# Altium PCB Computer_Board.PcbDoc (part 1 of 5)
Units mm, origin at the board's own origin, x right, y up, seen from the top; angles counter-clockwise.
Board outline 210 x 125 mm, 4 copper layers (Top Layer, Layer 1, Layer 2, Bottom Layer), stack 1.571 mm thick; 443 components, 406 nets, 2112 pads, 1064 vias.
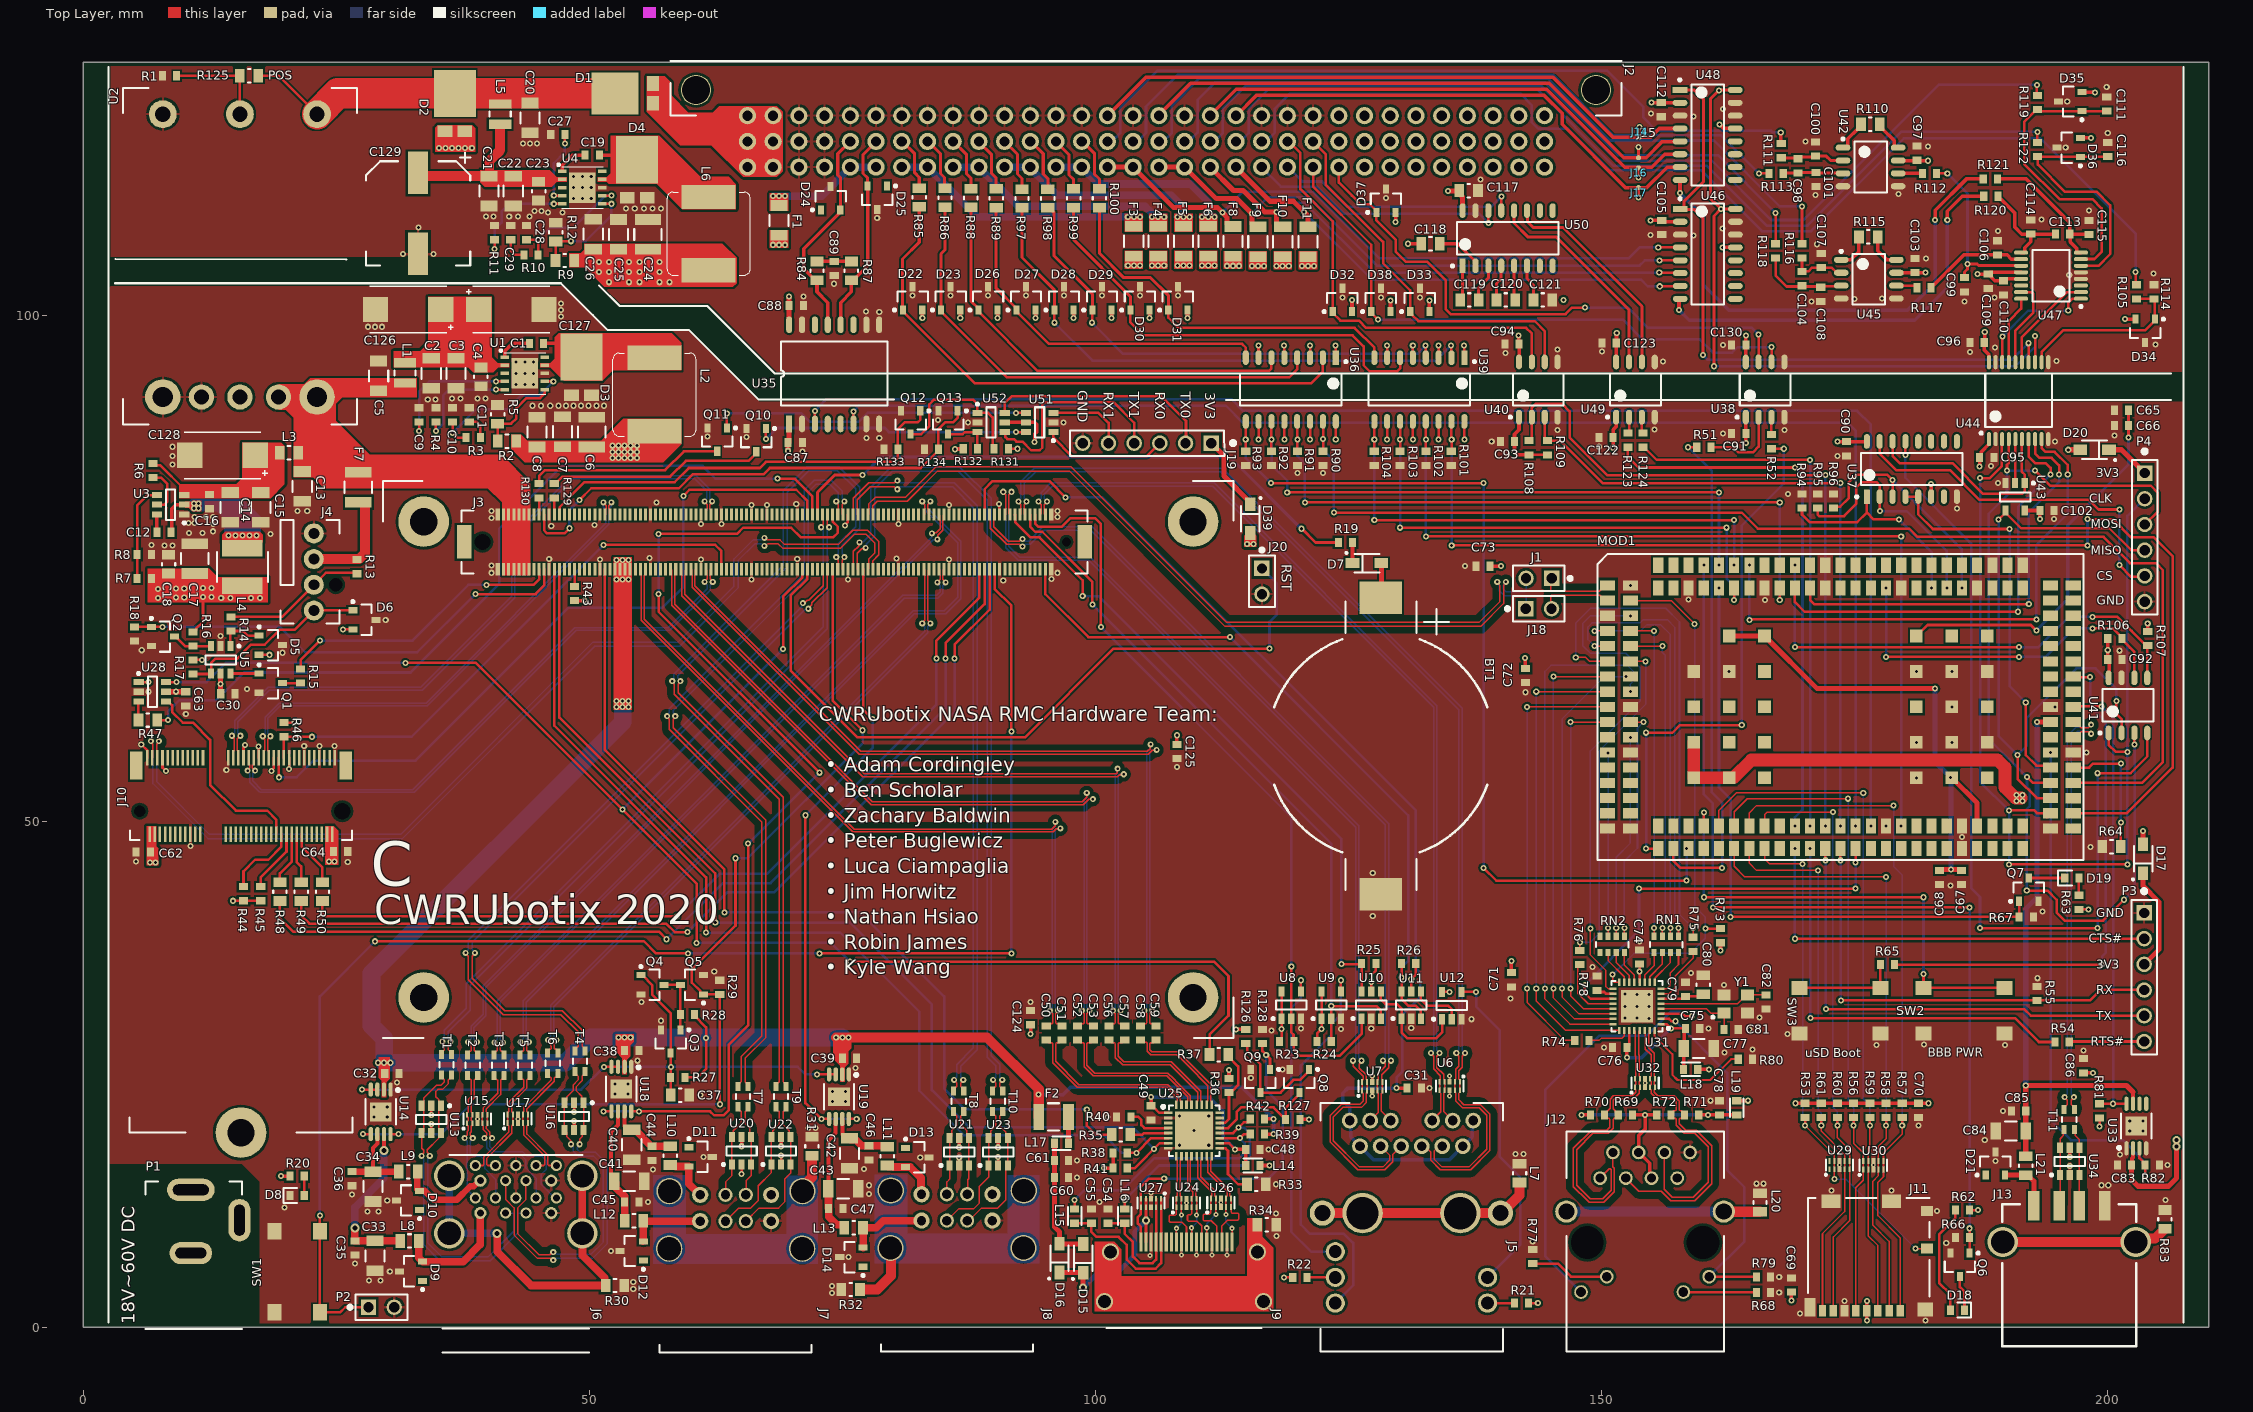
[diagram p0: Top Layer view]
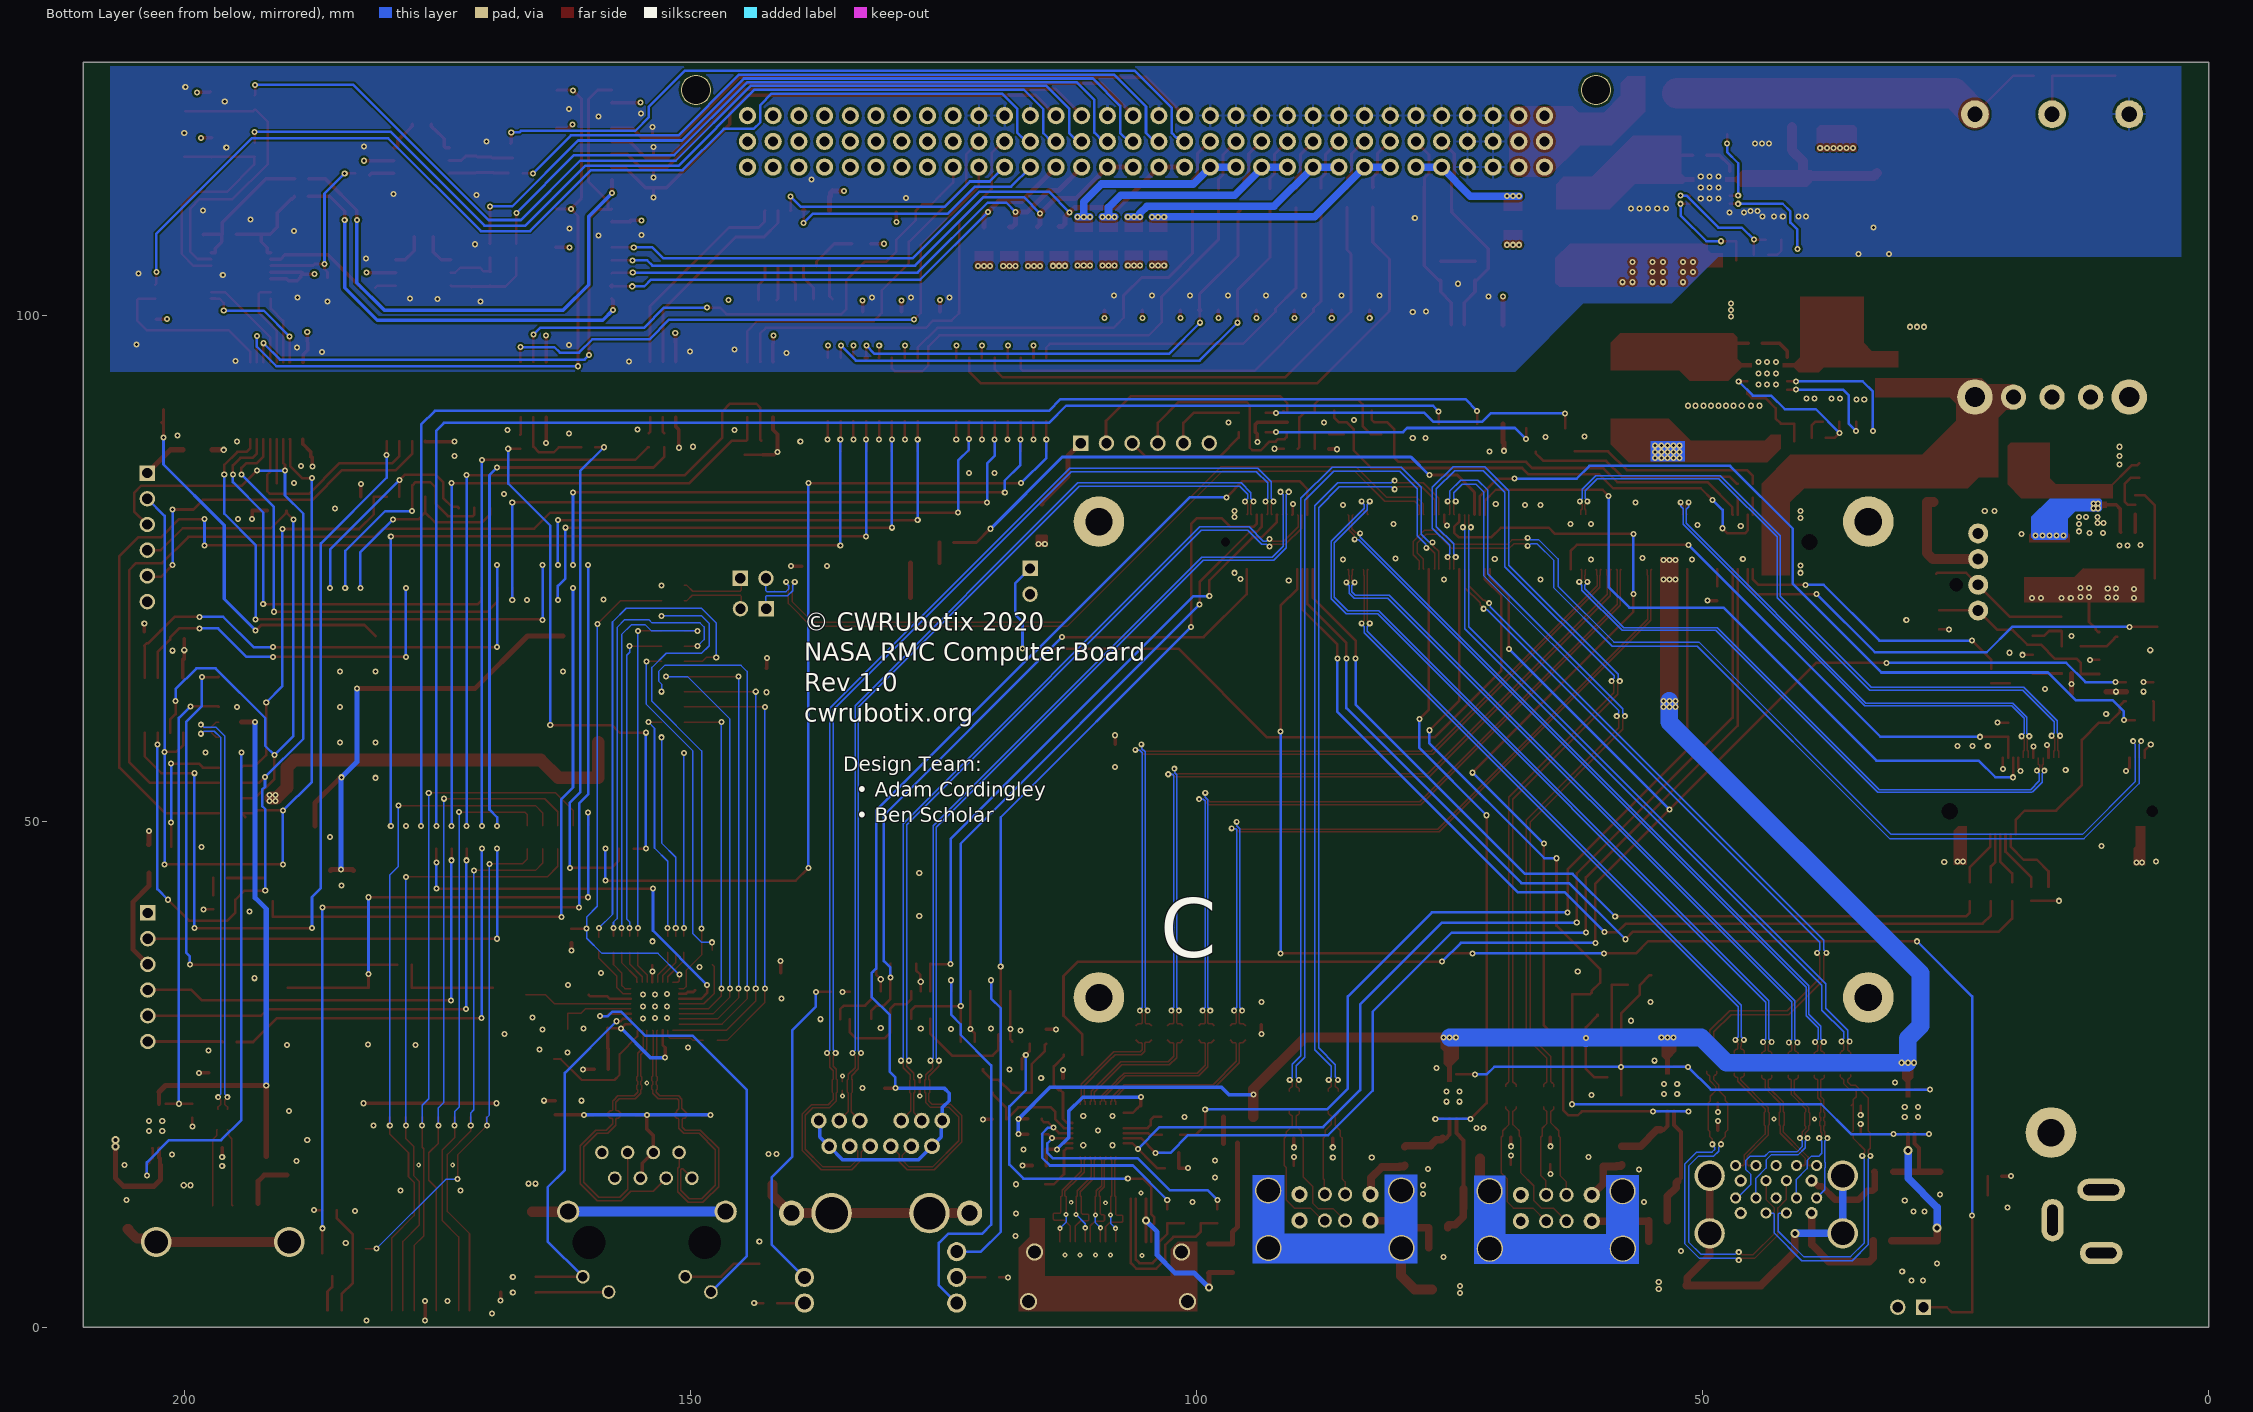
[diagram p1: Bottom Layer view, seen from below]
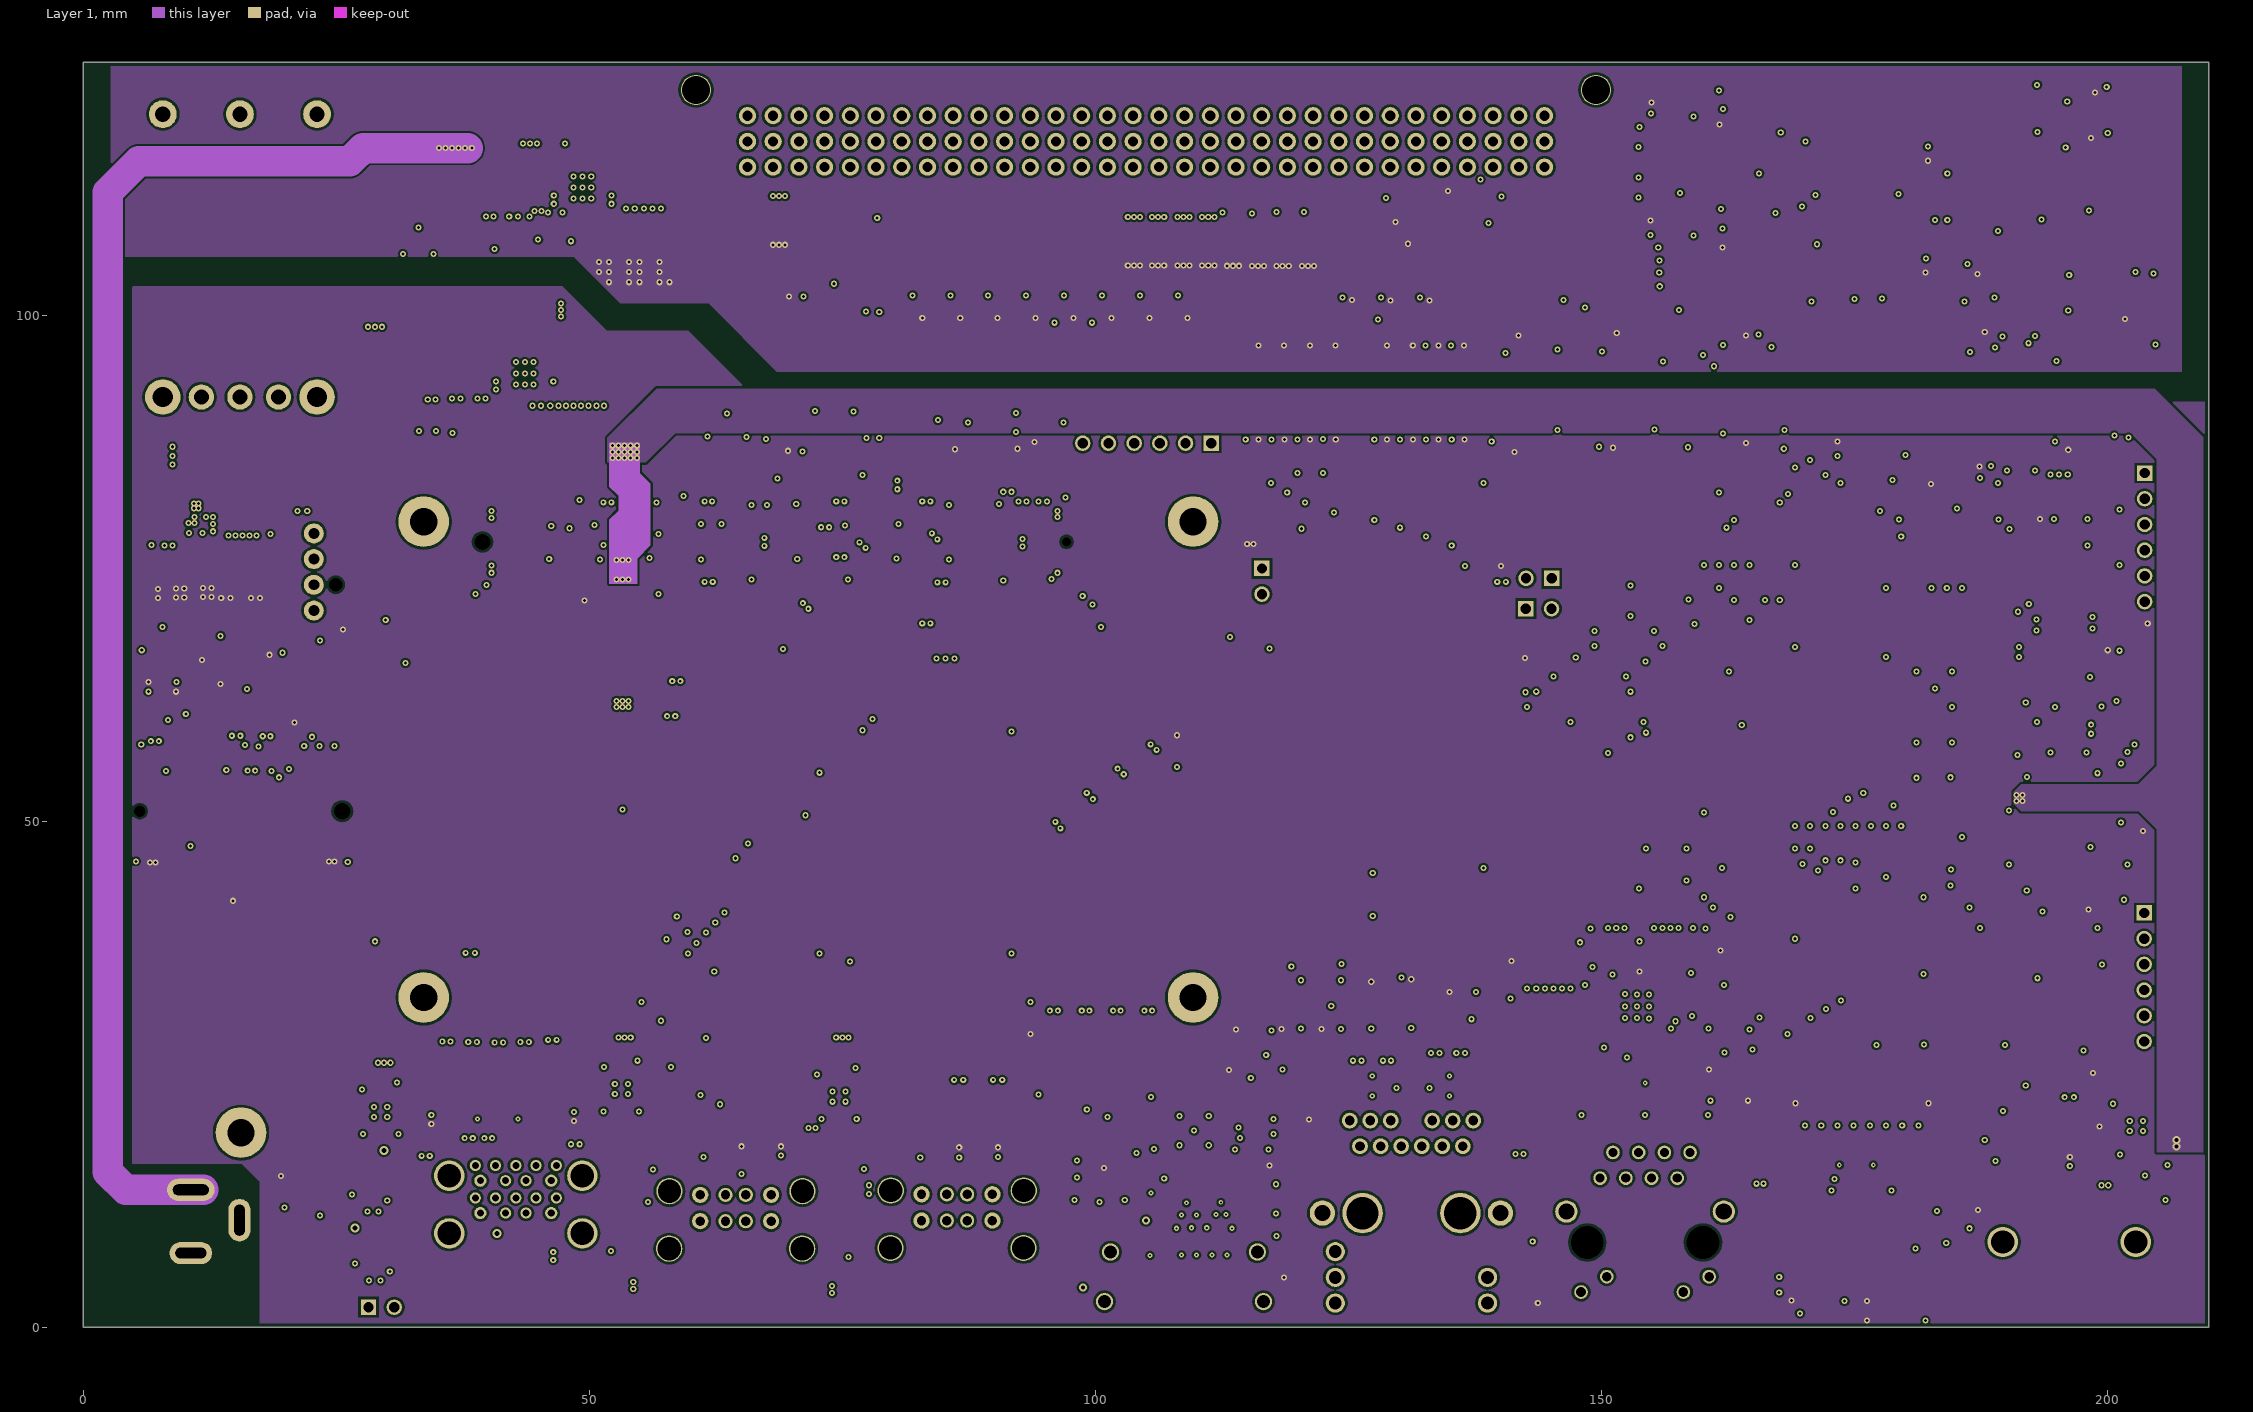
[diagram p2: Layer 1]
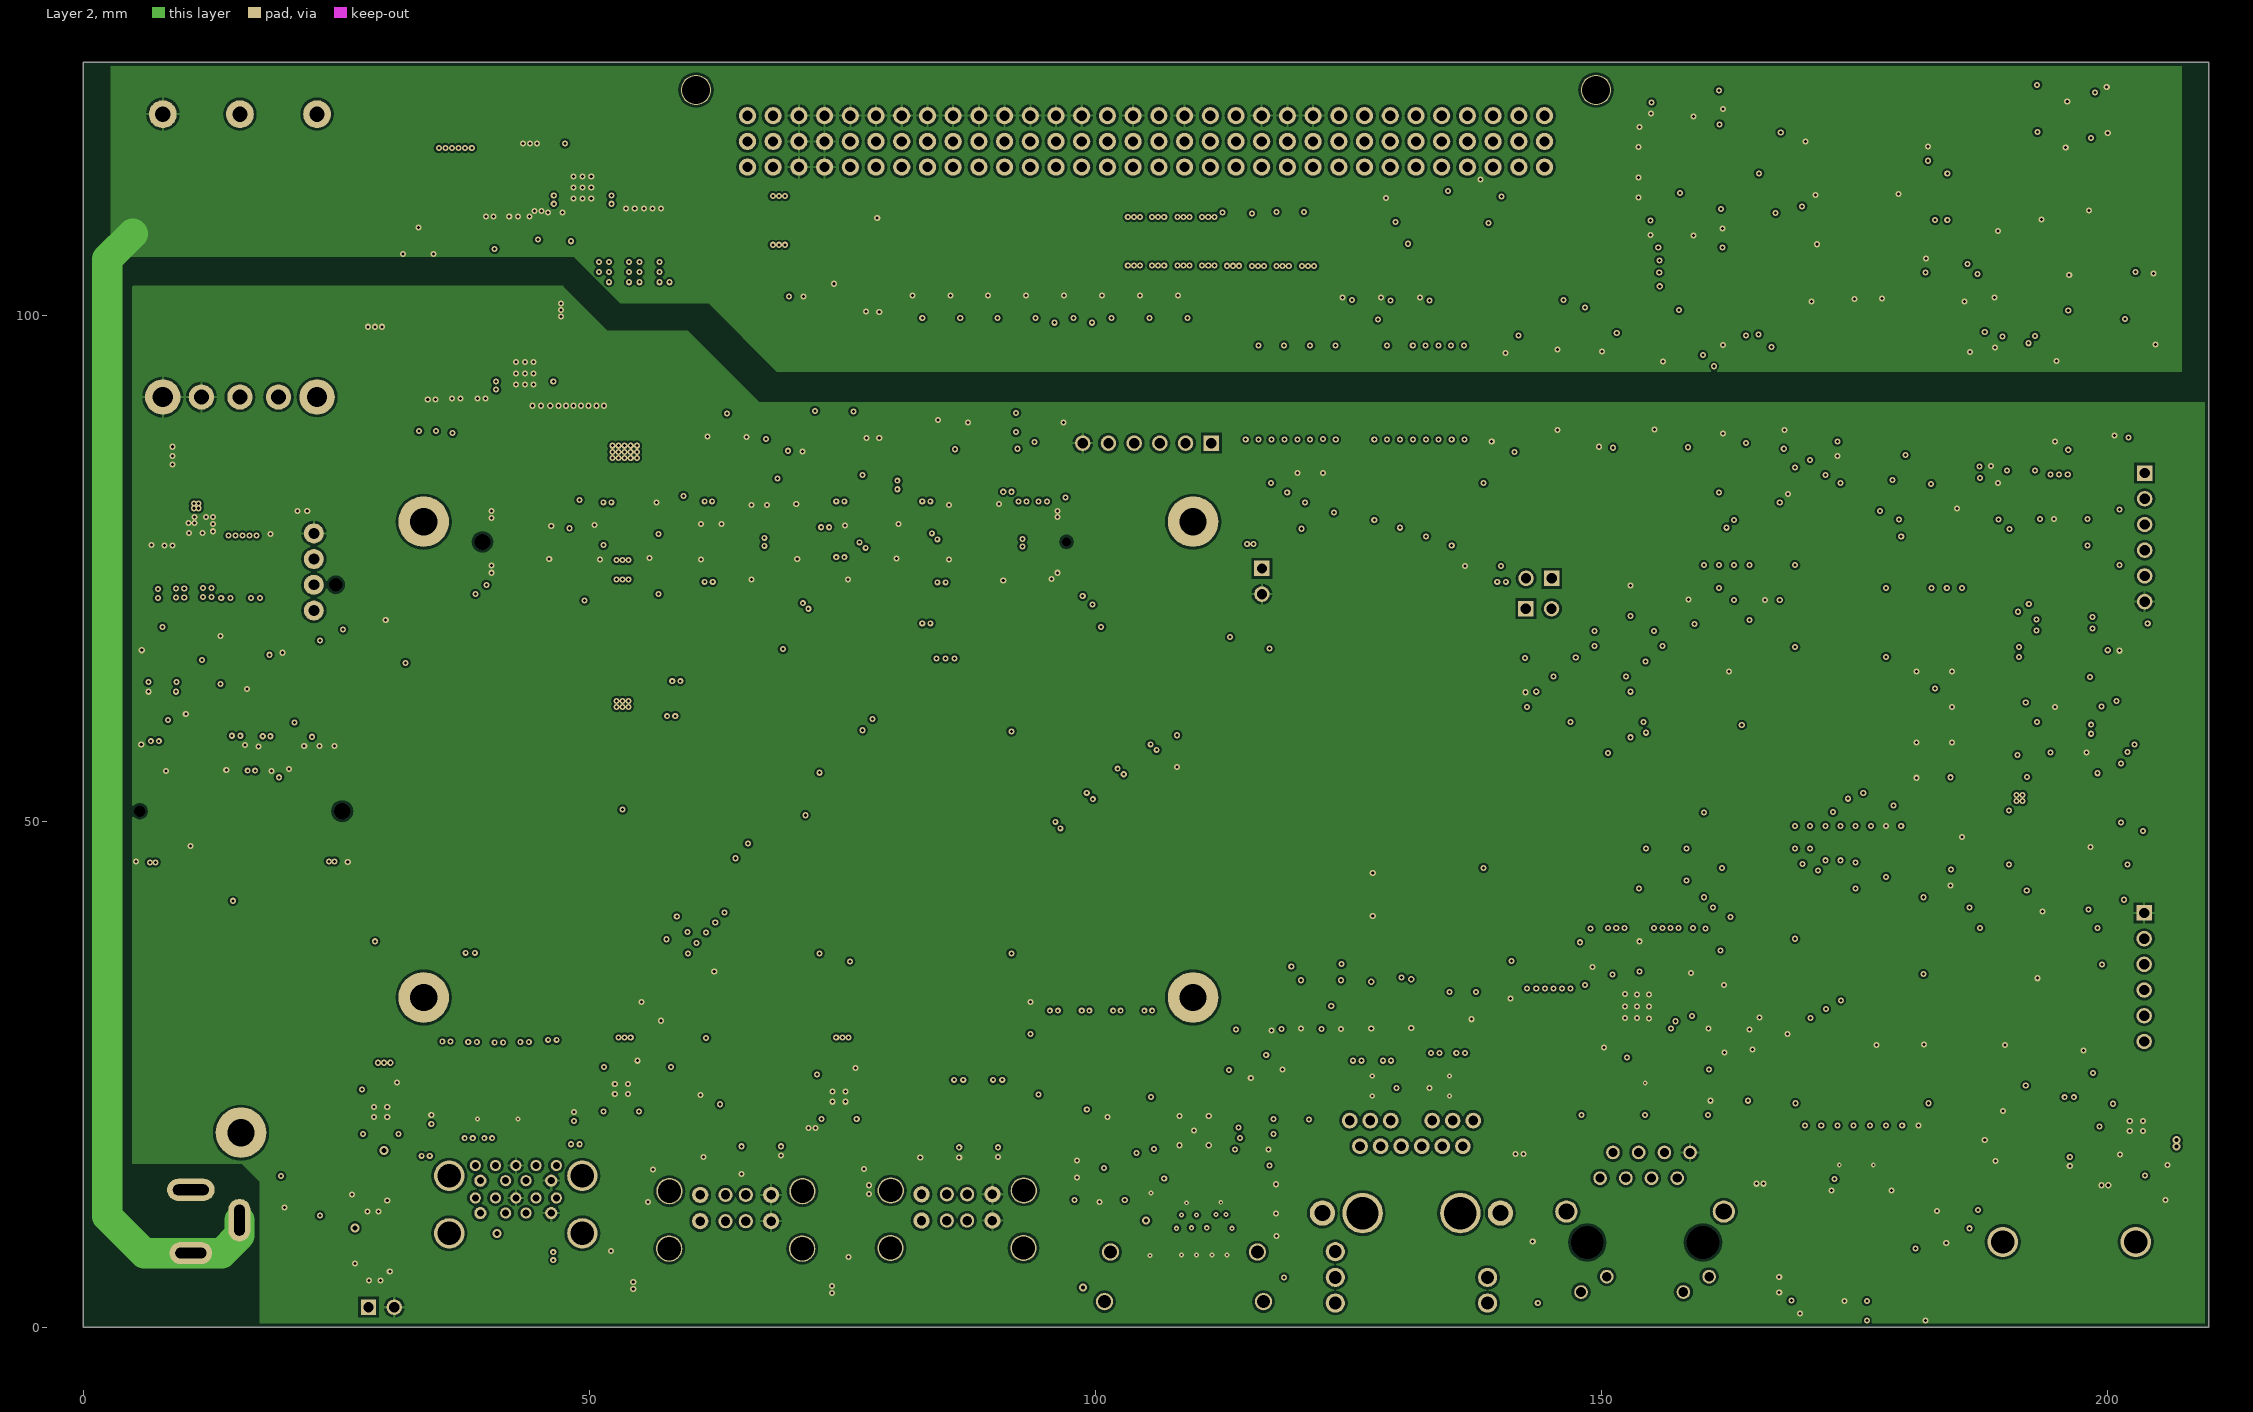
[diagram p3: Layer 2]

## Layer stack, top to bottom
Top Solder: solder mask 0.0102, Solder Resist, Dk 3.5
Top Layer: signal copper 0.0356
Dielectric 2: prepreg 0.1, PP-006, Dk 4.05
Layer 1: signal copper 0.0175
Dielectric 1: dielectric 1.265, FR-4, Dk 4.8
Layer 2: signal copper 0.0175
Dielectric 3: prepreg 0.1, PP-006, Dk 4.05
Bottom Layer: signal copper 0.0356
Bottom Solder: solder mask 0.0102, Solder Resist, Dk 3.5

## Board outline
0,0 210,0 210,125 0,125

## Design rules (kind name [scope] priority, off if disabled: settings)
BoardOutlineClearance [All] p1: gap=0.4 ignorepadtopadclearanceinfootprint=FALSE except(0: Arc-SplitContinuation Track-SplitContinuation SMDPad-SplitContinuation THPad-SplitContinuation Via-SplitContinuation Fill-SplitContinuation Poly-SplitContinuation Region-SplitContinuation Text-SplitContinuation)
Clearance Clearance_HighSpeed [InNetClass('High Speed') vs OnLayer('Top Layer')] p1: gap=0.25 ignorepadtopadclearanceinfootprint=FALSE except(0: Arc-Hole Track-Hole SMDPad-Hole THPad-Hole Via-Hole Fill-Hole Poly-Hole Region-Hole Text-Hole; 0.1: Arc-Arc Arc-Track Arc-SMDPad Track-Track Track-SMDPad SMDPad-SMDPad; 0.15: Arc-THPad Arc-Via Track-THPad Track-Via SMDPad-THPad SMDPad-Via THPad-THPad THPad-Via Via-Via; 0.65: Arc-Fill Arc-Poly Arc-Region Track-Fill Track-Poly Track-Region; 0.75: Fill-Fill Fill-Poly Fill-Region Poly-Poly Poly-Region Region-Region)
Clearance [All] p2: gap=0.2 ignorepadtopadclearanceinfootprint=FALSE except(0: Arc-Hole Track-Hole SMDPad-Hole THPad-Hole Via-Hole Fill-Hole Poly-Hole Region-Hole Text-Hole; 0.1: Arc-Arc Arc-Track Track-Track; 0.127: Arc-SMDPad Track-SMDPad SMDPad-SMDPad; 0.15: Arc-Via Track-Via SMDPad-Via Via-Via; 0.25: Arc-Text Track-Text SMDPad-Text THPad-Fill THPad-Poly THPad-Region THPad-Text Via-Text Fill-Fill Fill-Poly Fill-Region Fill-Text Poly-Poly Poly-Region Poly-Text Region-Region Region-Text Text-Text)
DiffPairsRouting DiffPairs_USB [InDifferentialPairClass('USB')] p1: maxlimit=1 minlimit=0.1 mostfreqgap=0.25 toplayer_minwidth=0.1 toplayer_maxwidth=1 toplayer_prefwidth=0.15 midlayer1_minwidth=0.1 midlayer1_maxwidth=1 midlayer1_prefwidth=0.15 midlayer2_minwidth=0.1 midlayer2_maxwidth=1 midlayer2_prefwidth=0.15 bottomlayer_minwidth=0.1 bottomlayer_maxwidth=1 bottomlayer_prefwidth=0.15 maxuncoupledlength=12.7
DiffPairsRouting DiffPairs_USB3 [InDifferentialPairClass('USB3')] p2: maxlimit=1 minlimit=0.1 mostfreqgap=0.14 toplayer_minwidth=0.1 toplayer_maxwidth=1 toplayer_prefwidth=0.14 midlayer1_minwidth=0.1 midlayer1_maxwidth=1 midlayer1_prefwidth=0.14 midlayer2_minwidth=0.1 midlayer2_maxwidth=1 midlayer2_prefwidth=0.14 bottomlayer_minwidth=0.1 bottomlayer_maxwidth=1 bottomlayer_prefwidth=0.14 maxuncoupledlength=12.7
DiffPairsRouting DiffPairs_HDMI [InDifferentialPairClass('HDMI')] p3: maxlimit=1 minlimit=0.1 mostfreqgap=0.14 toplayer_minwidth=0.1 toplayer_maxwidth=1 toplayer_prefwidth=0.14 midlayer1_minwidth=0.1 midlayer1_maxwidth=1 midlayer1_prefwidth=0.14 midlayer2_minwidth=0.1 midlayer2_maxwidth=1 midlayer2_prefwidth=0.14 bottomlayer_minwidth=0.1 bottomlayer_maxwidth=1 bottomlayer_prefwidth=0.14 maxuncoupledlength=12.7
DiffPairsRouting DiffPairs_PCIE [InDifferentialPairClass('PCIE')] p4: maxlimit=1 minlimit=0.1 mostfreqgap=0.14 toplayer_minwidth=0.1 toplayer_maxwidth=1 toplayer_prefwidth=0.14 midlayer1_minwidth=0.1 midlayer1_maxwidth=1 midlayer1_prefwidth=0.14 midlayer2_minwidth=0.1 midlayer2_maxwidth=1 midlayer2_prefwidth=0.14 bottomlayer_minwidth=0.1 bottomlayer_maxwidth=1 bottomlayer_prefwidth=0.14 maxuncoupledlength=12.7
DiffPairsRouting DiffPairs_Ethernet [InDifferentialPairClass('Ethernet')] p5: maxlimit=1 minlimit=0.1 mostfreqgap=0.2 toplayer_minwidth=0.1 toplayer_maxwidth=1 toplayer_prefwidth=0.127 midlayer1_minwidth=0.1 midlayer1_maxwidth=1 midlayer1_prefwidth=0.127 midlayer2_minwidth=0.1 midlayer2_maxwidth=1 midlayer2_prefwidth=0.127 bottomlayer_minwidth=0.1 bottomlayer_maxwidth=1 bottomlayer_prefwidth=0.127 maxuncoupledlength=12.7
HoleSize [All] p1: absolutevalues=TRUE maxlimit=6.3 minlimit=0.2 maxpercent=80.000 minpercent=20.000
MinimumSolderMaskSliver [All] p1: minsoldermaskwidth=0.1
PolygonConnect [All] p1: thpad.connectstyle=Relief thpad.reliefconductorwidth=0.254 thpad.reliefentries=4 thpad.polygonreliefangle="90 Angle" thpad.airgapwidth=0.254 smdpad.connectstyle=Direct smdpad.reliefconductorwidth=0.254 smdpad.reliefentries=4 smdpad.polygonreliefangle="90 Angle" smdpad.airgapwidth=0.254 via.connectstyle=Direct via.reliefconductorwidth=0.254 via.reliefentries=4 via.polygonreliefangle="90 Angle" via.airgapwidth=0.254
RoutingVias [All] p1: holewidth=0.3 width=0.6 viastyle="Through Hole" minholewidth=0.2 minwidth=0.4 maxholewidth=5 maxwidth=10
SilkToSilkClearance [All] p1: silktosilkclearance=0
SilkToSolderMaskClearance [IsPad] p1: minsilkscreentomaskgap=0 clearancetoexposedcopper=TRUE
SolderMaskExpansion [All] p1: expansion=0.102 istentingtop=FALSE
Width [All] p1: maxlimit=100 minlimit=0.15 preferedwidth=0.25 midlayer1_minwidth=0.25 midlayer2_minwidth=0.25 minimp=50.000000 maximp=50.000000 favimp=50.000000
25 further rules are at their usual default settings.

## Classes and differential pairs
net class "High Speed": BBB_RX_N BBB_RX_P BBB_TX_N BBB_TX_P BBB_USB1_D_N BBB_USB1_D_P BBB_USB1_EXT_N BBB_USB1_EXT_P HDMI_CLK_EXT_N HDMI_CLK_EXT_P HDMI_CLK_N HDMI_CLK_P HDMI_DAT0_EXT_N HDMI_DAT0_EXT_P HDMI_DAT0_N HDMI_DAT0_P HDMI_DAT1_EXT_N HDMI_DAT1_EXT_P HDMI_DAT1_N HDMI_DAT1_P HDMI_DAT2_EXT_N HDMI_DAT2_EXT_P HDMI_DAT2_N HDMI_DAT2_P MDI0_N MDI0_P MDI1_N MDI1_P MDI2_N MDI2_P MDI3_N MDI3_P PCIE_CLK_N PCIE_CLK_P PCIE_RX0_N PCIE_RX0_P PCIE_TX0_N PCIE_TX0_P TMDSX_CLK_N TMDSX_CLK_P TMDSX_DATA0_N TMDSX_DATA0_P TMDSX_DATA1_N TMDSX_DATA1_P TMDSX_DATA2_N TMDSX_DATA2_P USB0_C_N USB0_C_P USB0_C_RX_N USB0_C_RX_P USB0_C_TX_N USB0_C_TX_P USB0_N USB0_P USB1_C_N USB1_C_P USB1_C_RX_N USB1_C_RX_P USB1_C_TX_N USB1_C_TX_P USB2_C_N USB2_C_P USB2_N USB2_P USB3_C_N USB3_C_P USB3_N USB3_P USB4_C_N USB4_C_P USB4_N USB4_P USB5_C_N USB5_C_P USB5_N USB5_P USB6_BBB_N USB6_BBB_P USB6_N USB6_P USB7_N USB7_P USB_SSRX0_N USB_SSRX0_P USB_SSRX1_N USB_SSRX1_P USB_SSTX0_N USB_SSTX0_P USB_SSTX1_N USB_SSTX1_P
differential pair class Ethernet: BBB_RX BBB_TX MDI0 MDI1 MDI2 MDI3
differential pair class PCIE: PCIE_CLK PCIE_RX0 PCIE_TX0 PCIE_TX_EXT
differential pair class HDMI: HDMI_CLK HDMI_CLK_EXT HDMI_DAT0 HDMI_DAT0_EXT HDMI_DAT1 HDMI_DAT1_EXT HDMI_DAT2 HDMI_DAT2_EXT TMDSX_CLK TMDSX_DATA0 TMDSX_DATA1 TMDSX_DATA2
differential pair class USB: BBB_USB1_D BBB_USB1_EXT USB0 USB0_C USB1 USB1_C USB2 USB2_C USB3 USB3_C USB4 USB4_C USB5 USB5_C USB6 USB6_BBB USB7
differential pair class USB3: USB0_C_RX USB0_C_TX USB1_C_RX USB1_C_TX USB_SSRX0 USB_SSRX1 USB_SSTX0 USB_SSTX1
component class SCH13_RS232: C91 C117 C118 C119 C120 C121 C122 C123 C130 D37 D38 R51 R52 R123 R124 U38 U49 U50
component class SCH12_AFE: C95 C96 C97 C98 C99 C100 C101 C102 C103 C104 C105 C106 C107 C108 C109 C110 C111 C112 C113 C114 C115 C116 D34 D35 D36 F8 F9 F10 F11 J14 J15 J16 J17 R105 R110 R111 R112 R113 R114 R115 R116 R117 R118 R119 R120 R121 R122 U42 U43 U44 U45 U46 U47 U48
component class SCH11_Digital_IO: C87 C88 C89 C90 C92 C93 C94 D22 D23 D24 D25 D26 D27 D28 D29 D30 D31 D32 D33 R84 R85 R86 R87 R88 R89 R90 R91 R92 R93 R94 R95 R96 R97 R98 R99 R100 R101 R102 R103 R104 R106 R107 R108 R109 U35 U36 U37 U39 U40 U41
component class SCH10_BBB_USB: C83 C84 C85 C86 D21 J13 L21 R81 R82 R83 T11 U33 U34
component class SCH9_BBB_Eth: C74 C75 C76 C77 C78 C79 C80 C81 C82 J12 L18 L19 L20 R68 R69 R70 R71 R72 R73 R74 R75 R76 R77 R78 R79 R80 RN1 RN2 U31 U32 Y1
component class SCH8_BBB: C65 C66 C67 C68 C69 C70 C71 C72 C73 D17 D18 D19 D20 J1 J11 J18 MOD1 P3 P4 P6 Q6 Q7 R53 R54 R55 R56 R57 R58 R59 R60 R61 R62 R63 R64 R65 R66 R67 SW2 SW3 U29 U30
component class SCH7_Main_Computer_PCIe: C62 C63 C64 J10 R44 R45 R46 R47 R48 R49 R50 U28
component class SCH6_Main_computer_Display: C48 C49 C50 C51 C52 C53 C54 C55 C56 C57 C58 C59 C60 C61 C124 C125 D15 D16 F2 J9 L14 L15 L16 L17 Q8 Q9 R33 R34 R35 R36 R37 R38 R39 R40 R41 R42 R43 R126 R127 R128 U24 U25 U26 U27
component class SCH5_Main_computer_USB2-0: C38 C39 C40 C41 C42 C43 C44 C45 C46 C47 D11 D12 D13 D14 J7 J8 L10 L11 L12 L13 R31 R32 T7 T8 T9 T10 U18 U19 U20 U21 U22 U23
component class SCH4_Main_Computer_USB: C32 C33 C34 C35 C36 C37 D9 D10 J6 L8 L9 Q3 Q4 Q5 R27 R28 R29 R30 T1 T2 T3 T4 T5 T6 U13 U14 U15 U16 U17
component class SCH3_Main_Computer_Eth: C31 J5 L7 R21 R22 R23 R24 R25 R26 U6 U7 U8 U9 U10 U11 U12
component class SCH2_Main_Computer: BT1 C30 D5 D6 D7 D8 D39 F7 J3 J4 J19 J20 P2 Q1 Q2 Q10 Q11 Q12 Q13 R13 R14 R15 R16 R17 R18 R19 R20 R129 R130 R131 R132 R133 R134 SW1 U5 U51 U52
component class SCH1_Power: C1 C2 C3 C4 C5 C6 C7 C8 C9 C10 C11 C12 C13 C14 C15 C16 C17 C18 C19 C20 C21 C22 C23 C24 C25 C26 C27 C28 C29 C126 C127 C128 C129 D1 D2 D3 D4 F1 F3 F4 F5 F6 J2 L1 L2 L3 L4 L5 L6 P1 R1 R2 R3 R4 R5 R6 R7 R8 R9 R10 R11 R12 R125 U1 U2 U3 U4
differential pair USB_SSTX1: +USB_SSTX1_P -USB_SSTX1_N
differential pair USB_SSTX0: +USB_SSTX0_P -USB_SSTX0_N
differential pair USB_SSRX1: +USB_SSRX1_P -USB_SSRX1_N
differential pair USB_SSRX0: +USB_SSRX0_P -USB_SSRX0_N
differential pair USB7: +USB7_P -USB7_N
differential pair USB6: +USB6_P -USB6_N
differential pair USB6_BBB: +USB6_BBB_P -USB6_BBB_N
differential pair USB5: +USB5_P -USB5_N
differential pair USB5_C: +USB5_C_P -USB5_C_N
differential pair USB4: +USB4_P -USB4_N
differential pair USB4_C: +USB4_C_P -USB4_C_N
differential pair USB3: +USB3_P -USB3_N
differential pair USB3_C: +USB3_C_P -USB3_C_N
differential pair USB2: +USB2_P -USB2_N
differential pair USB2_C: +USB2_C_P -USB2_C_N
differential pair USB1: +USB1_P -USB1_N
differential pair USB1_C: +USB1_C_P -USB1_C_N
differential pair USB1_C_TX: +USB1_C_TX_P -USB1_C_TX_N
differential pair USB1_C_RX: +USB1_C_RX_P -USB1_C_RX_N
differential pair USB0: +USB0_P -USB0_N
differential pair USB0_C: +USB0_C_P -USB0_C_N
differential pair USB0_C_TX: +USB0_C_TX_P -USB0_C_TX_N
differential pair USB0_C_RX: +USB0_C_RX_P -USB0_C_RX_N
differential pair TMDSX_DATA2: +TMDSX_DATA2_P -TMDSX_DATA2_N
differential pair TMDSX_DATA1: +TMDSX_DATA1_P -TMDSX_DATA1_N
differential pair TMDSX_DATA0: +TMDSX_DATA0_P -TMDSX_DATA0_N
differential pair TMDSX_CLK: +TMDSX_CLK_P -TMDSX_CLK_N
differential pair PCIE_TX0: +PCIE_TX0_P -PCIE_TX0_N
differential pair PCIE_RX0: +PCIE_RX0_P -PCIE_RX0_N
differential pair PCIE_CLK: +PCIE_CLK_P -PCIE_CLK_N
differential pair MDI3: +MDI3_P -MDI3_N
differential pair MDI2: +MDI2_P -MDI2_N
differential pair MDI1: +MDI1_P -MDI1_N
differential pair MDI0: +MDI0_P -MDI0_N
differential pair HDMI_DAT2: +HDMI_DAT2_P -HDMI_DAT2_N
differential pair HDMI_DAT2_EXT: +HDMI_DAT2_EXT_P -HDMI_DAT2_EXT_N
differential pair HDMI_DAT1: +HDMI_DAT1_P -HDMI_DAT1_N
differential pair HDMI_DAT1_EXT: +HDMI_DAT1_EXT_P -HDMI_DAT1_EXT_N
differential pair HDMI_DAT0: +HDMI_DAT0_P -HDMI_DAT0_N
differential pair HDMI_DAT0_EXT: +HDMI_DAT0_EXT_P -HDMI_DAT0_EXT_N
differential pair HDMI_CLK: +HDMI_CLK_P -HDMI_CLK_N
differential pair HDMI_CLK_EXT: +HDMI_CLK_EXT_P -HDMI_CLK_EXT_N
differential pair BBB_USB1_EXT: +BBB_USB1_EXT_P -BBB_USB1_EXT_N
differential pair BBB_USB1_D: +BBB_USB1_D_P -BBB_USB1_D_N